# KiCad board haptic display 8x8 aisler.kicad_pcb (continued)
## Routing (per net, layer and track width the routed paths; a pad name or vN(x,y) marks a point on that pad's centre or on a via; arc(x,y) is an arc through that point) (continued)
  In1.Cu w0.15: v1(95.35,120) 95,120.35 95,120.55 94.68,120.56 94.37,120.6 94.06,120.66 93.75,120.74 93.45,120.84 93.16,120.97 92.88,121.11 92.61,121.28 92.35,121.46 92.1,121.66 91.88,121.88 91.66,122.11 91.47,122.36 91.29,122.62 91.13,122.89 90.99,123.17 90.88,123.46 90.78,123.76 90.7,124.07 90.65,124.37 90.62,124.69 90.61,125 90.63,125.31 90.66,125.62 90.72,125.93 90.8,126.23 90.9,126.53 91.02,126.82 91.17,127.09 91.33,127.36 91.51,127.61 91.71,127.85 91.92,128.08 92.15,128.29 92.39,128.48 92.65,128.66 92.92,128.81 93.2,128.95 93.48,129.07 93.78,129.16 94.08,129.23 94.38,129.29 94.69,129.32 95,129.32 95.31,129.31 95.61,129.28 95.92,129.22 96.22,129.14 96.51,129.04 96.79,128.92 97.06,128.78 97.33,128.62 97.58,128.44 97.81,128.25 98.04,128.04 98.24,127.81 98.43,127.57 98.6,127.32 98.76,127.05 98.89,126.78 99.01,126.49 99.1,126.2 99.17,125.91 99.22,125.61 99.25,125.3 99.26,125 99.25,124.7 99.21,124.39 99.16,124.1 99.08,123.8 98.98,123.52 98.86,123.24 98.72,122.97 98.57,122.71 98.39,122.46 98.2,122.23 97.99,122.01 97.77,121.8 97.53,121.62 97.28,121.45 97.02,121.3 96.75,121.16 96.47,121.05 96.19,120.96 95.89,120.89 95.6,120.84 95.3,120.81 95,120.8 94.69,120.81 94.37,120.85 94.07,120.91 93.77,121 93.47,121.1 93.19,121.23 92.91,121.38 92.65,121.55 92.4,121.74 92.16,121.94 91.95,122.17 91.74,122.4 91.56,122.66 91.4,122.92 91.26,123.2 91.13,123.48 91.03,123.78 90.96,124.08 90.9,124.38 90.87,124.69 90.86,125 90.88,125.31 90.91,125.62 90.97,125.92 91.06,126.22 91.16,126.51 91.29,126.79 91.43,127.06 91.6,127.32 91.79,127.56 91.99,127.79 92.21,128.01 92.44,128.21 92.69,128.39 92.95,128.55 93.22,128.69 93.51,128.81 93.8,128.91 94.09,128.98 94.39,129.04 94.7,129.07 95,129.07 95.3,129.06 95.61,129.02 95.9,128.96 96.2,128.88 96.48,128.78 96.76,128.66 97.03,128.51 97.28,128.35 97.52,128.17 97.75,127.97 97.96,127.75 98.16,127.52 98.33,127.27 98.49,127.02 98.63,126.75 98.75,126.47 98.85,126.19 98.92,125.89 98.97,125.6 99,125.3 99.01,125 99,124.7 98.96,124.4 98.9,124.11 98.82,123.82 98.72,123.54 98.6,123.27 98.46,123 98.3,122.75 98.12,122.51 97.92,122.29 97.71,122.08 97.48,121.89 97.24,121.72 96.99,121.56 96.72,121.43 96.45,121.31 96.17,121.21 95.88,121.14 95.59,121.09 95.3,121.06 95,121.05 94.69,121.07 94.38,121.1 94.08,121.17 93.78,121.26 93.49,121.37 93.22,121.5 92.95,121.65 92.69,121.82 92.45,122.02 92.23,122.23 92.02,122.46 91.83,122.7 91.67,122.96 91.52,123.23 91.39,123.51 91.29,123.79 91.21,124.09 91.15,124.39 91.12,124.69 91.11,125 91.13,125.3 91.17,125.61 91.23,125.91 91.31,126.2 91.42,126.48 91.55,126.76 91.7,127.02 91.88,127.27 92.07,127.51 92.27,127.73 92.5,127.93 92.74,128.11 92.99,128.28 93.25,128.42 93.53,128.55 93.81,128.65 94.1,128.73 94.4,128.78 94.7,128.82 95,128.82 95.3,128.81 95.6,128.77 95.89,128.71 96.18,128.63 96.46,128.52 96.73,128.39 96.99,128.24 97.23,128.07 97.47,127.89 97.68,127.68 97.88,127.46 98.06,127.23 98.23,126.98 98.37,126.72 98.49,126.45 98.59,126.17 98.67,125.88 98.72,125.59 98.75,125.3 98.76,125 98.75,124.71 98.71,124.41 98.65,124.12 98.57,123.84 98.46,123.57 98.34,123.3 98.19,123.05 98.02,122.8 97.84,122.57 97.64,122.36 97.42,122.17 97.19,121.99 96.94,121.83 96.69,121.69 96.42,121.57 96.15,121.47 95.87,121.39 95.58,121.34 95.29,121.31 95,121.3 94.69,121.32 94.39,121.36 94.09,121.42 93.8,121.51 93.52,121.63 93.25,121.76 92.99,121.92 92.74,122.1 92.51,122.3 92.3,122.52 92.11,122.75 91.94,123 91.78,123.26 91.65,123.53 91.55,123.81 91.46,124.1 91.41,124.4 91.37,124.7 91.36,125 91.38,125.3 91.42,125.6 91.48,125.89 91.57,126.18 91.68,126.45 91.82,126.72 91.97,126.98 92.15,127.22 92.35,127.44 92.56,127.65 92.79,127.84 93.03,128.01 93.29,128.16 93.56,128.29 93.83,128.39 94.12,128.48 94.41,128.53 94.7,128.57 95,128.57 95.29,128.56 95.59,128.52 95.88,128.46 96.16,128.37 96.43,128.26 96.69,128.13 96.94,127.97 97.18,127.8 97.4,127.61 97.61,127.4 97.79,127.17 97.96,126.93 98.11,126.68 98.23,126.42 98.33,126.14 98.41,125.86 98.47,125.58 98.5,125.29 98.51,125 98.5,124.71 98.46,124.42 98.4,124.14 98.31,123.86 98.2,123.6 98.07,123.34 97.92,123.09 97.75,122.86 97.56,122.64 97.36,122.44 97.14,122.26 96.9,122.09 96.65,121.95 96.39,121.83 96.12,121.72 95.85,121.65 95.57,121.59 95.29,121.56 95,121.55 94.7,121.57 94.4,121.61 94.11,121.68 93.82,121.77 93.55,121.89 93.29,122.03 93.04,122.19 92.8,122.38 92.58,122.58 92.38,122.8 92.21,123.04 92.05,123.3 91.91,123.56 91.8,123.84 91.72,124.12 91.66,124.41 91.62,124.7 91.61,125 91.63,125.29 91.67,125.59 91.74,125.87 91.83,126.15 91.95,126.42 92.08,126.68 92.25,126.93 92.43,127.16 92.63,127.37 92.84,127.57 93.08,127.74 93.33,127.9 93.59,128.03 93.86,128.14 94.14,128.22 94.42,128.28 94.71,128.32 95,128.32 95.29,128.31 95.58,128.27 95.86,128.2 96.13,128.11 96.4,128 96.65,127.86 96.89,127.7 97.12,127.53 97.33,127.33 97.52,127.11 97.69,126.89 97.84,126.64 97.97,126.39 98.08,126.12 98.16,125.85 98.22,125.57 98.25,125.28 98.26,125 98.25,124.72 98.21,124.43 98.14,124.16 98.05,123.89 97.94,123.63 97.81,123.38 97.65,123.14 97.48,122.92 97.28,122.72 97.07,122.53 96.85,122.36 96.61,122.21 96.36,122.08 96.1,121.98 95.83,121.9 95.56,121.84 95.28,121.81 95,121.8 94.71,121.82 94.41,121.86 94.13,121.93 93.85,122.03 93.58,122.15 93.33,122.3 93.09,122.47 92.86,122.66 92.66,122.87 92.48,123.09 92.31,123.34 92.17,123.59 92.06,123.86 91.97,124.14 91.91,124.42 91.87,124.71 91.86,125 91.88,125.29 91.92,125.58 91.99,125.86 92.09,126.13 92.21,126.39 92.35,126.64 92.52,126.88 92.7,127.09 92.91,127.29 93.13,127.47 93.37,127.63 93.62,127.77 93.88,127.88 94.16,127.97 94.43,128.03 94.72,128.07 95,128.07 95.28,128.06 95.56,128.02 95.84,127.95 96.11,127.85 96.36,127.74 96.61,127.6 96.84,127.43 97.05,127.25 97.25,127.05 97.42,126.83 97.58,126.6 97.71,126.35 97.82,126.09 97.91,125.83 97.97,125.55 98,125.28 98.01,125 98,124.72 97.95,124.45 97.89,124.18 97.8,123.92 97.68,123.67 97.54,123.43 97.38,123.2 97.2,122.99 97.01,122.8 96.79,122.63 96.56,122.47 96.32,122.34 96.07,122.24 95.81,122.15 95.54,122.09 95.27,122.06 95,122.05 94.71,122.07 94.43,122.11 94.15,122.19 93.88,122.29 93.62,122.42 93.37,122.57 93.15,122.74 92.94,122.94 92.75,123.15 92.58,123.38 92.44,123.63 92.32,123.89 92.23,124.16 92.16,124.44 92.12,124.72 92.11,125 92.13,125.28 92.18,125.56 92.25,125.83 92.35,126.1 92.47,126.35 92.62,126.59 92.79,126.81 92.98,127.02 93.19,127.2 93.42,127.37 93.66,127.51 93.91,127.62 94.18,127.71 94.45,127.78 94.72,127.82 95,127.83 95.28,127.81 95.55,127.76 95.82,127.69 96.08,127.6 96.32,127.47 96.56,127.33 96.77,127.16 96.98,126.98 97.16,126.77 97.32,126.55 97.45,126.31 97.57,126.06 97.65,125.81 97.72,125.54 97.75,125.27 97.76,125 97.75,124.73 97.7,124.46 97.63,124.2 97.54,123.95 97.42,123.71 97.28,123.48 97.11,123.26 96.93,123.07 96.73,122.89 96.51,122.74 96.28,122.6 96.04,122.49 95.79,122.41 95.53,122.34 95.27,122.31 95,122.3 94.72,122.32 94.44,122.37 94.17,122.44 93.91,122.55 93.66,122.68 93.43,122.84 93.21,123.02 93.02,123.22 92.85,123.44 92.7,123.67 92.58,123.92 92.48,124.18 92.41,124.45 92.37,124.72 92.36,125 92.38,125.28 92.43,125.55 92.5,125.81 92.61,126.07 92.73,126.31 92.89,126.54 93.06,126.75 93.26,126.94 93.47,127.1 93.7,127.25 93.95,127.37 94.2,127.46 94.46,127.53 94.73,127.57 95,127.58 95.27,127.56 95.53,127.51 95.79,127.44 96.04,127.34 96.28,127.21 96.5,127.06 96.7,126.89 96.89,126.7 97.05,126.49 97.19,126.27 97.31,126.03 97.4,125.78 97.47,125.52 97.5,125.26 97.51,125 97.49,124.74 97.45,124.48 97.38,124.23 97.28,123.98 97.16,123.75 97.01,123.54 96.85,123.34 96.66,123.16 96.45,123 96.24,122.86 96,122.75 95.76,122.66 95.51,122.6 95.26,122.56 95,122.55 94.73,122.57 94.46,122.62 94.2,122.7 93.94,122.81 93.71,122.94 93.49,123.11 93.29,123.29 93.11,123.49 92.96,123.72 92.83,123.96 92.73,124.21 92.66,124.47 92.62,124.73 92.61,125 92.63,125.27 92.68,125.53 92.76,125.78 92.87,126.03 93,126.26 93.15,126.47 93.33,126.67 93.53,126.84 93.75,126.99 93.98,127.11 94.23,127.21 94.48,127.28 94.74,127.31 95,127.33 95.26,127.31 95.52,127.26 95.76,127.18 96,127.08 96.23,126.95 96.43,126.8 96.62,126.62 96.79,126.43 96.93,126.22 97.05,125.99 97.15,125.75 97.21,125.51 97.25,125.25 97.26,125 97.24,124.75 97.2,124.5 97.12,124.26 97.02,124.03 96.9,123.81 96.75,123.61 96.58,123.42 96.39,123.26 96.18,123.12 95.96,123 95.73,122.91 95.49,122.85 95.25,122.81 95,122.8 94.74,122.82 94.48,122.87 94.22,122.96 93.99,123.07 93.76,123.21 93.56,123.37 93.38,123.56 93.22,123.77 93.09,124 92.99,124.24 92.92,124.49 92.87,124.74 92.86,125 92.88,125.26 92.93,125.51 93.01,125.75 93.12,125.98 93.26,126.2 93.42,126.4 93.6,126.57 93.81,126.73 94.03,126.85 94.26,126.95 94.5,127.02 94.75,127.06 95,127.08 95.25,127.06 95.49,127.01 95.73,126.93 95.96,126.82 96.17,126.69 96.36,126.53 96.53,126.35 96.68,126.16 96.8,125.94 96.9,125.72 96.96,125.48 97,125.24 97.01,125 96.99,124.76 96.94,124.52 96.87,124.29 96.76,124.07 96.64,123.87 96.48,123.68 96.31,123.52 96.12,123.38 95.92,123.26 95.7,123.16 95.47,123.1 95.24,123.06 95,123.05 94.75,123.07 94.5,123.13 94.26,123.21 94.04,123.33 93.83,123.47 93.64,123.64 93.48,123.84 93.35,124.05 93.24,124.27 93.17,124.51 93.12,124.75 93.11,125 93.13,125.25 93.19,125.49 93.27,125.72 93.38,125.93 93.52,126.13 93.69,126.31 93.87,126.47 94.08,126.6 94.3,126.7 94.52,126.77 94.76,126.81 95,126.83 95.24,126.8 95.47,126.75 95.69,126.67 95.9,126.56 96.1,126.43 96.27,126.27 96.42,126.09 96.54,125.89 96.64,125.68 96.71,125.46 96.75,125.23 96.76,125 96.74,124.77 96.69,124.55 96.61,124.33 96.51,124.13 96.38,123.94 96.22,123.78 96.05,123.63 95.86,123.51 95.66,123.41 95.44,123.35 95.22,123.31 95,123.3 94.76,123.32 94.52,123.38 94.3,123.47 94.09,123.59 93.91,123.74 93.74,123.91 93.6,124.1 93.49,124.31 93.42,124.54 93.37,124.77 93.36,125 93.38,125.23 93.44,125.46 93.53,125.67 93.64,125.87 93.78,126.05 93.95,126.21 94.14,126.34 94.34,126.45 94.55,126.52 94.78,126.56 95,126.58 95.22,126.55 95.44,126.5 95.65,126.42 95.84,126.31 96.01,126.17 96.16,126.01 96.29,125.83 96.39,125.64 96.46,125.43 96.5,125.22 96.51,125 96.49,124.79 96.44,124.58 96.36,124.38 96.25,124.19 96.12,124.03 95.97,123.88 95.8,123.76 95.61,123.67 95.41,123.6 95.21,123.56 95,123.55 95,123.6 94.63,123.97 94.59,123.98 ; v1(95.35,105) 95,105.35 95,105.55 94.68,105.56 94.37,105.6 94.06,105.66 93.75,105.74 93.45,105.84 93.16,105.97 92.88,106.11 92.61,106.28 92.35,106.46 92.1,106.66 91.88,106.88 91.66,107.11 91.47,107.36 91.29,107.62 91.13,107.89 90.99,108.17 90.88,108.46 90.78,108.76 90.7,109.07 90.65,109.37 90.62,109.69 90.61,110 90.63,110.31 90.66,110.62 90.72,110.93 90.8,111.23 90.9,111.53 91.02,111.82 91.17,112.09 91.33,112.36 91.51,112.61 91.71,112.85 91.92,113.08 92.15,113.29 92.39,113.48 92.65,113.66 92.92,113.81 93.2,113.95 93.48,114.07 93.78,114.16 94.08,114.23 94.38,114.29 94.69,114.32 95,114.33 95.31,114.31 95.61,114.28 95.92,114.22 96.22,114.14 96.51,114.04 96.79,113.92 97.06,113.78 97.33,113.62 97.58,113.44 97.81,113.25 98.04,113.04 98.24,112.81 98.43,112.57 98.6,112.32 98.76,112.05 98.89,111.78 99.01,111.49 99.1,111.2 99.17,110.91 99.22,110.61 99.25,110.3 99.26,110 99.25,109.7 99.21,109.39 99.16,109.1 99.08,108.8 98.98,108.52 98.86,108.24 98.72,107.97 98.57,107.71 98.39,107.46 98.2,107.23 97.99,107.01 97.77,106.8 97.53,106.62 97.28,106.45 97.02,106.3 96.75,106.16 96.47,106.05 96.19,105.96 95.89,105.89 95.6,105.84 95.3,105.81 95,105.8 94.69,105.81 94.37,105.85 94.07,105.91 93.77,106 93.47,106.1 93.19,106.23 92.91,106.38 92.65,106.55 92.4,106.74 92.16,106.94 91.95,107.17 91.74,107.4 91.56,107.66 91.4,107.92 91.26,108.2 91.13,108.48 91.03,108.78 90.96,109.08 90.9,109.38 90.87,109.69 90.86,110 90.88,110.31 90.91,110.62 90.97,110.92 91.06,111.22 91.16,111.51 91.29,111.79 91.43,112.06 91.6,112.32 91.79,112.56 91.99,112.79 92.21,113.01 92.44,113.21 92.69,113.39 92.95,113.55 93.22,113.69 93.51,113.81 93.8,113.91 94.09,113.98 94.39,114.04 94.7,114.07 95,114.08 95.3,114.06 95.61,114.02 95.9,113.96 96.2,113.88 96.48,113.78 96.76,113.66 97.03,113.51 97.28,113.35 97.52,113.17 97.75,112.97 97.96,112.75 98.16,112.52 98.33,112.27 98.49,112.02 98.63,111.75 98.75,111.47 98.85,111.19 98.92,110.89 98.97,110.6 99,110.3 99.01,110 99,109.7 98.96,109.4 98.9,109.11 98.82,108.82 98.72,108.54 98.6,108.27 98.46,108 98.3,107.75 98.12,107.51 97.92,107.29 97.71,107.08 97.48,106.89 97.24,106.72 96.99,106.56 96.72,106.43 96.45,106.31 96.17,106.21 95.88,106.14 95.59,106.09 95.3,106.06 95,106.05 94.69,106.07 94.38,106.1 94.08,106.17 93.78,106.26 93.49,106.37 93.22,106.5 92.95,106.65 92.69,106.82 92.45,107.02 92.23,107.23 92.02,107.46 91.83,107.7 91.67,107.96 91.52,108.23 91.39,108.51 91.29,108.79 91.21,109.09 91.15,109.39 91.12,109.69 91.11,110 91.13,110.3 91.17,110.61 91.23,110.91 91.31,111.2 91.42,111.48 91.55,111.76 91.7,112.02 91.88,112.27 92.07,112.51 92.27,112.73 92.5,112.93 92.74,113.11 92.99,113.28 93.25,113.42 93.53,113.55 93.81,113.65 94.1,113.73 94.4,113.78 94.7,113.82 95,113.83 95.3,113.81 95.6,113.77 95.89,113.71 96.18,113.63 96.46,113.52 96.73,113.39 96.99,113.24 97.23,113.07 97.47,112.89 97.68,112.68 97.88,112.46 98.06,112.23 98.23,111.98 98.37,111.72 98.49,111.45 98.59,111.17 98.67,110.88 98.72,110.59 98.75,110.3 98.76,110 98.75,109.71 98.71,109.41 98.65,109.12 98.57,108.84 98.46,108.57 98.34,108.3 98.19,108.05 98.02,107.8 97.84,107.57 97.64,107.36 97.42,107.17 97.19,106.99 96.94,106.83 96.69,106.69 96.42,106.57 96.15,106.47 95.87,106.39 95.58,106.34 95.29,106.31 95,106.3 94.69,106.32 94.39,106.36 94.09,106.42 93.8,106.51 93.52,106.63 93.25,106.76 92.99,106.92 92.74,107.1 92.51,107.3 92.3,107.52 92.11,107.75 91.94,108 91.78,108.26 91.65,108.53 91.55,108.81 91.46,109.1 91.41,109.4 91.37,109.7 91.36,110 91.38,110.3 91.42,110.6 91.48,110.89 91.57,111.18 91.68,111.45 91.82,111.72 91.97,111.98 92.15,112.22 92.35,112.44 92.56,112.65 92.79,112.84 93.03,113.01 93.29,113.16 93.56,113.29 93.83,113.39 94.12,113.48 94.41,113.53 94.7,113.57 95,113.58 95.29,113.56 95.59,113.52 95.88,113.46 96.16,113.37 96.43,113.26 96.69,113.13 96.94,112.97 97.18,112.8 97.4,112.61 97.61,112.4 97.79,112.17 97.96,111.93 98.11,111.68 98.23,111.42 98.33,111.14 98.41,110.86 98.47,110.58 98.5,110.29 98.51,110 98.5,109.71 98.46,109.42 98.4,109.14 98.31,108.86 98.2,108.6 98.07,108.34 97.92,108.09 97.75,107.86 97.56,107.64 97.36,107.44 97.14,107.26 96.9,107.09 96.65,106.95 96.39,106.83 96.12,106.72 95.85,106.65 95.57,106.59 95.29,106.56 95,106.55 94.7,106.57 94.4,106.61 94.11,106.68 93.82,106.77 93.55,106.89 93.29,107.03 93.04,107.19 92.8,107.38 92.58,107.58 92.38,107.8 92.21,108.04 92.05,108.3 91.91,108.56 91.8,108.84 91.72,109.12 91.66,109.41 91.62,109.7 91.61,110 91.63,110.29 91.67,110.59 91.74,110.87 91.83,111.15 91.95,111.42 92.08,111.68 92.25,111.93 92.43,112.16 92.63,112.37 92.84,112.57 93.08,112.74 93.33,112.9 93.59,113.03 93.86,113.14 94.14,113.22 94.42,113.28 94.71,113.32 95,113.33 95.29,113.31 95.58,113.27 95.86,113.2 96.13,113.11 96.4,113 96.65,112.86 96.89,112.7 97.12,112.53 97.33,112.33 97.52,112.11 97.69,111.89 97.84,111.64 97.97,111.39 98.08,111.12 98.16,110.85 98.22,110.57 98.25,110.28 98.26,110 98.25,109.72 98.21,109.43 98.14,109.16 98.05,108.89 97.94,108.63 97.81,108.38 97.65,108.14 97.48,107.92 97.28,107.72 97.07,107.53 96.85,107.36 96.61,107.21 96.36,107.08 96.1,106.98 95.83,106.9 95.56,106.84 95.28,106.81 95,106.8 94.71,106.82 94.41,106.86 94.13,106.93 93.85,107.03 93.58,107.15 93.33,107.3 93.09,107.47 92.86,107.66 92.66,107.87 92.48,108.09 92.31,108.34 92.17,108.59 92.06,108.86 91.97,109.14 91.91,109.42 91.87,109.71 91.86,110 91.88,110.29 91.92,110.58 91.99,110.86 92.09,111.13 92.21,111.39 92.35,111.64 92.52,111.88 92.7,112.09 92.91,112.29 93.13,112.47 93.37,112.63 93.62,112.77 93.88,112.88 94.16,112.97 94.43,113.03 94.72,113.07 95,113.08 95.28,113.06 95.56,113.02 95.84,112.95 96.11,112.85 96.36,112.74 96.61,112.6 96.84,112.43 97.05,112.25 97.25,112.05 97.42,111.83 97.58,111.6 97.71,111.35 97.82,111.09 97.91,110.83 97.97,110.55 98,110.28 98.01,110 98,109.72 97.95,109.45 97.89,109.18 97.8,108.92 97.68,108.67 97.54,108.43 97.38,108.2 97.2,107.99 97.01,107.8 96.79,107.63 96.56,107.47 96.32,107.34 96.07,107.24 95.81,107.15 95.54,107.09 95.27,107.06 95,107.05 94.71,107.07 94.43,107.11 94.15,107.19 93.88,107.29 93.62,107.42 93.37,107.57 93.15,107.74 92.94,107.94 92.75,108.15 92.58,108.38 92.44,108.63 92.32,108.89 92.23,109.16 92.16,109.44 92.12,109.72 92.11,110 92.13,110.28 92.18,110.56 92.25,110.83 92.35,111.1 92.47,111.35 92.62,111.59 92.79,111.81 92.98,112.02 93.19,112.2 93.42,112.37 93.66,112.51 93.91,112.62 94.18,112.71 94.45,112.78 94.72,112.82 95,112.83 95.28,112.81 95.55,112.76 95.82,112.69 96.08,112.6 96.32,112.47 96.56,112.33 96.77,112.16 96.98,111.98 97.16,111.77 97.32,111.55 97.45,111.31 97.57,111.06 97.65,110.81 97.72,110.54 97.75,110.27 97.76,110 97.75,109.73 97.7,109.46 97.63,109.2 97.54,108.95 97.42,108.71 97.28,108.48 97.11,108.26 96.93,108.07 96.73,107.89 96.51,107.74 96.28,107.6 96.04,107.49 95.79,107.41 95.53,107.34 95.27,107.31 95,107.3 94.72,107.32 94.44,107.37 94.17,107.44 93.91,107.55 93.66,107.68 93.43,107.84 93.21,108.02 93.02,108.22 92.85,108.44 92.7,108.67 92.58,108.92 92.48,109.18 92.41,109.45 92.37,109.72 92.36,110 92.38,110.28 92.43,110.55 92.5,110.81 92.61,111.07 92.73,111.31 92.89,111.54 93.06,111.75 93.26,111.94 93.47,112.1 93.7,112.25 93.95,112.37 94.2,112.46 94.46,112.53 94.73,112.57 95,112.58 95.27,112.56 95.53,112.51 95.79,112.44 96.04,112.34 96.28,112.21 96.5,112.06 96.7,111.89 96.89,111.7 97.05,111.49 97.19,111.27 97.31,111.03 97.4,110.78 97.47,110.52 97.5,110.26 97.51,110 97.49,109.74 97.45,109.48 97.38,109.23 97.28,108.98 97.16,108.75 97.01,108.54 96.85,108.34 96.66,108.16 96.45,108 96.24,107.86 96,107.75 95.76,107.66 95.51,107.6 95.26,107.56 95,107.55 94.73,107.57 94.46,107.62 94.2,107.7 93.94,107.81 93.71,107.94 93.49,108.11 93.29,108.29 93.11,108.49 92.96,108.72 92.83,108.96 92.73,109.21 92.66,109.47 92.62,109.73 92.61,110 92.63,110.27 92.68,110.53 92.76,110.78 92.87,111.03 93,111.26 93.15,111.47 93.33,111.67 93.53,111.84 93.75,111.99 93.98,112.11 94.23,112.21 94.48,112.28 94.74,112.31 95,112.33 95.26,112.31 95.52,112.26 95.76,112.18 96,112.08 96.23,111.95 96.43,111.8 96.62,111.62 96.79,111.43 96.93,111.22 97.05,110.99 97.15,110.75 97.21,110.51 97.25,110.25 97.26,110 97.24,109.75 97.2,109.5 97.12,109.26 97.02,109.03 96.9,108.81 96.75,108.61 96.58,108.42 96.39,108.26 96.18,108.12 95.96,108 95.73,107.91 95.49,107.85 95.25,107.81 95,107.8 94.74,107.82 94.48,107.87 94.22,107.96 93.99,108.07 93.76,108.21 93.56,108.37 93.38,108.56 93.22,108.77 93.09,109 92.99,109.24 92.92,109.49 92.87,109.74 92.86,110 92.88,110.26 92.93,110.51 93.01,110.75 93.12,110.98 93.26,111.2 93.42,111.4 93.6,111.57 93.81,111.73 94.03,111.85 94.26,111.95 94.5,112.02 94.75,112.06 95,112.08 95.25,112.06 95.49,112.01 95.73,111.93 95.96,111.82 96.17,111.69 96.36,111.53 96.53,111.35 96.68,111.16 96.8,110.94 96.9,110.72 96.96,110.48 97,110.24 97.01,110 96.99,109.76 96.94,109.52 96.87,109.29 96.76,109.07 96.64,108.87 96.48,108.68 96.31,108.52 96.12,108.38 95.92,108.26 95.7,108.16 95.47,108.1 95.24,108.06 95,108.05 94.75,108.07 94.5,108.13 94.26,108.21 94.04,108.33 93.83,108.47 93.64,108.64 93.48,108.84 93.35,109.05 93.24,109.27 93.17,109.51 93.12,109.75 93.11,110 93.13,110.25 93.19,110.49 93.27,110.72 93.38,110.93 93.52,111.13 93.69,111.31 93.87,111.47 94.08,111.6 94.3,111.7 94.52,111.77 94.76,111.81 95,111.83 95.24,111.8 95.47,111.75 95.69,111.67 95.9,111.56 96.1,111.43 96.27,111.27 96.42,111.09 96.54,110.89 96.64,110.68 96.71,110.46 96.75,110.23 96.76,110 96.74,109.77 96.69,109.55 96.61,109.33 96.51,109.13 96.38,108.94 96.22,108.78 96.05,108.63 95.86,108.51 95.66,108.41 95.44,108.35 95.22,108.31 95,108.3 94.76,108.32 94.52,108.38 94.3,108.47 94.09,108.59 93.91,108.74 93.74,108.91 93.6,109.1 93.49,109.31 93.42,109.54 93.37,109.77 93.36,110 93.38,110.23 93.44,110.46 93.53,110.67 93.64,110.87 93.78,111.05 93.95,111.21 94.14,111.34 94.34,111.45 94.55,111.52 94.78,111.56 95,111.58 95.22,111.55 95.44,111.5 95.65,111.42 95.84,111.31 96.01,111.17 96.16,111.01 96.29,110.83 96.39,110.64 96.46,110.43 96.5,110.22 96.51,110 96.49,109.79 96.44,109.58 96.36,109.38 96.25,109.19 96.12,109.03 95.97,108.88 95.8,108.76 95.61,108.67 95.41,108.6 95.21,108.56 95,108.55 95,108.6 94.63,108.97 94.59,108.98 ; v1(95.35,90) 95,90.35 95,90.55 94.68,90.56 94.37,90.6 94.06,90.66 93.75,90.74 93.45,90.84 93.16,90.97 92.88,91.11 92.61,91.28 92.35,91.46 92.1,91.66 91.88,91.88 91.66,92.11 91.47,92.36 91.29,92.62 91.13,92.89 90.99,93.17 90.88,93.46 90.78,93.76 90.7,94.07 90.65,94.37 90.62,94.69 90.61,95 90.63,95.31 90.66,95.62 90.72,95.93 90.8,96.23 90.9,96.53 91.02,96.82 91.17,97.09 91.33,97.36 91.51,97.61 91.71,97.85 91.92,98.08 92.15,98.29 92.39,98.48 92.65,98.66 92.92,98.81 93.2,98.95 93.48,99.07 93.78,99.16 94.08,99.23 94.38,99.29 94.69,99.32 95,99.33 95.31,99.31 95.61,99.28 95.92,99.22 96.22,99.14 96.51,99.04 96.79,98.92 97.06,98.78 97.33,98.62 97.58,98.44 97.81,98.25 98.04,98.04 98.24,97.81 98.43,97.57 98.6,97.32 98.76,97.05 98.89,96.78 99.01,96.49 99.1,96.2 99.17,95.91 99.22,95.61 99.25,95.3 99.26,95 99.25,94.7 99.21,94.39 99.16,94.1 99.08,93.8 98.98,93.52 98.86,93.24 98.72,92.97 98.57,92.71 98.39,92.46 98.2,92.23 97.99,92.01 97.77,91.8 97.53,91.62 97.28,91.45 97.02,91.3 96.75,91.16 96.47,91.05 96.19,90.96 95.89,90.89 95.6,90.84 95.3,90.81 95,90.8 94.69,90.81 94.37,90.85 94.07,90.91 93.77,91 93.47,91.1 93.19,91.23 92.91,91.38 92.65,91.55 92.4,91.74 92.16,91.94 91.95,92.17 91.74,92.4 91.56,92.66 91.4,92.92 91.26,93.2 91.13,93.48 91.03,93.78 90.96,94.08 90.9,94.38 90.87,94.69 90.86,95 90.88,95.31 90.91,95.62 90.97,95.92 91.06,96.22 91.16,96.51 91.29,96.79 91.43,97.06 91.6,97.32 91.79,97.56 91.99,97.79 92.21,98.01 92.44,98.21 92.69,98.39 92.95,98.55 93.22,98.69 93.51,98.81 93.8,98.91 94.09,98.98 94.39,99.04 94.7,99.07 95,99.08 95.3,99.06 95.61,99.02 95.9,98.96 96.2,98.88 96.48,98.78 96.76,98.66 97.03,98.51 97.28,98.35 97.52,98.17 97.75,97.97 97.96,97.75 98.16,97.52 98.33,97.27 98.49,97.02 98.63,96.75 98.75,96.47 98.85,96.19 98.92,95.89 98.97,95.6 99,95.3 99.01,95 99,94.7 98.96,94.4 98.9,94.11 98.82,93.82 98.72,93.54 98.6,93.27 98.46,93 98.3,92.75 98.12,92.51 97.92,92.29 97.71,92.08 97.48,91.89 97.24,91.72 96.99,91.56 96.72,91.43 96.45,91.31 96.17,91.21 95.88,91.14 95.59,91.09 95.3,91.06 95,91.05 94.69,91.07 94.38,91.1 94.08,91.17 93.78,91.26 93.49,91.37 93.22,91.5 92.95,91.65 92.69,91.82 92.45,92.02 92.23,92.23 92.02,92.46 91.83,92.7 91.67,92.96 91.52,93.23 91.39,93.51 91.29,93.79 91.21,94.09 91.15,94.39 91.12,94.69 91.11,95 91.13,95.3 91.17,95.61 91.23,95.91 91.31,96.2 91.42,96.48 91.55,96.76 91.7,97.02 91.88,97.27 92.07,97.51 92.27,97.73 92.5,97.93 92.74,98.11 92.99,98.28 93.25,98.42 93.53,98.55 93.81,98.65 94.1,98.73 94.4,98.78 94.7,98.82 95,98.83 95.3,98.81 95.6,98.77 95.89,98.71 96.18,98.63 96.46,98.52 96.73,98.39 96.99,98.24 97.23,98.07 97.47,97.89 97.68,97.68 97.88,97.46 98.06,97.23 98.23,96.98 98.37,96.72 98.49,96.45 98.59,96.17 98.67,95.88 98.72,95.59 98.75,95.3 98.76,95 98.75,94.71 98.71,94.41 98.65,94.12 98.57,93.84 98.46,93.57 98.34,93.3 98.19,93.05 98.02,92.8 97.84,92.57 97.64,92.36 97.42,92.17 97.19,91.99 96.94,91.83 96.69,91.69 96.42,91.57 96.15,91.47 95.87,91.39 95.58,91.34 95.29,91.31 95,91.3 94.69,91.32 94.39,91.36 94.09,91.42 93.8,91.51 93.52,91.63 93.25,91.76 92.99,91.92 92.74,92.1 92.51,92.3 92.3,92.52 92.11,92.75 91.94,93 91.78,93.26 91.65,93.53 91.55,93.81 91.46,94.1 91.41,94.4 91.37,94.7 91.36,95 91.38,95.3 91.42,95.6 91.48,95.89 91.57,96.18 91.68,96.45 91.82,96.72 91.97,96.98 92.15,97.22 92.35,97.44 92.56,97.65 92.79,97.84 93.03,98.01 93.29,98.16 93.56,98.29 93.83,98.39 94.12,98.48 94.41,98.53 94.7,98.57 95,98.58 95.29,98.56 95.59,98.52 95.88,98.46 96.16,98.37 96.43,98.26 96.69,98.13 96.94,97.97 97.18,97.8 97.4,97.61 97.61,97.4 97.79,97.17 97.96,96.93 98.11,96.68 98.23,96.42 98.33,96.14 98.41,95.86 98.47,95.58 98.5,95.29 98.51,95 98.5,94.71 98.46,94.42 98.4,94.14 98.31,93.86 98.2,93.6 98.07,93.34 97.92,93.09 97.75,92.86 97.56,92.64 97.36,92.44 97.14,92.26 96.9,92.09 96.65,91.95 96.39,91.83 96.12,91.72 95.85,91.65 95.57,91.59 95.29,91.56 95,91.55 94.7,91.57 94.4,91.61 94.11,91.68 93.82,91.77 93.55,91.89 93.29,92.03 93.04,92.19 92.8,92.38 92.58,92.58 92.38,92.8 92.21,93.04 92.05,93.3 91.91,93.56 91.8,93.84 91.72,94.12 91.66,94.41 91.62,94.7 91.61,95 91.63,95.29 91.67,95.59 91.74,95.87 91.83,96.15 91.95,96.42 92.08,96.68 92.25,96.93 92.43,97.16 92.63,97.37 92.84,97.57 93.08,97.74 93.33,97.9 93.59,98.03 93.86,98.14 94.14,98.22 94.42,98.28 94.71,98.32 95,98.33 95.29,98.31 95.58,98.27 95.86,98.2 96.13,98.11 96.4,98 96.65,97.86 96.89,97.7 97.12,97.53 97.33,97.33 97.52,97.11 97.69,96.89 97.84,96.64 97.97,96.39 98.08,96.12 98.16,95.85 98.22,95.57 98.25,95.28 98.26,95 98.25,94.72 98.21,94.43 98.14,94.16 98.05,93.89 97.94,93.63 97.81,93.38 97.65,93.14 97.48,92.92 97.28,92.72 97.07,92.53 96.85,92.36 96.61,92.21 96.36,92.08 96.1,91.98 95.83,91.9 95.56,91.84 95.28,91.81 95,91.8 94.71,91.82 94.41,91.86 94.13,91.93 93.85,92.03 93.58,92.15 93.33,92.3 93.09,92.47 92.86,92.66 92.66,92.87 92.48,93.09 92.31,93.34 92.17,93.59 92.06,93.86 91.97,94.14 91.91,94.42 91.87,94.71 91.86,95 91.88,95.29 91.92,95.58 91.99,95.86 92.09,96.13 92.21,96.39 92.35,96.64 92.52,96.88 92.7,97.09 92.91,97.29 93.13,97.47 93.37,97.63 93.62,97.77 93.88,97.88 94.16,97.97 94.43,98.03 94.72,98.07 95,98.08 95.28,98.06 95.56,98.02 95.84,97.95 96.11,97.85 96.36,97.74 96.61,97.6 96.84,97.43 97.05,97.25 97.25,97.05 97.42,96.83 97.58,96.6 97.71,96.35 97.82,96.09 97.91,95.83 97.97,95.55 98,95.28 98.01,95 98,94.72 97.95,94.45 97.89,94.18 97.8,93.92 97.68,93.67 97.54,93.43 97.38,93.2 97.2,92.99 97.01,92.8 96.79,92.63 96.56,92.47 96.32,92.34 96.07,92.24 95.81,92.15 95.54,92.09 95.27,92.06 95,92.05 94.71,92.07 94.43,92.11 94.15,92.19 93.88,92.29 93.62,92.42 93.37,92.57 93.15,92.74 92.94,92.94 92.75,93.15 92.58,93.38 92.44,93.63 92.32,93.89 92.23,94.16 92.16,94.44 92.12,94.72 92.11,95 92.13,95.28 92.18,95.56 92.25,95.83 92.35,96.1 92.47,96.35 92.62,96.59 92.79,96.81 92.98,97.02 93.19,97.2 93.42,97.37 93.66,97.51 93.91,97.62 94.18,97.71 94.45,97.78 94.72,97.82 95,97.83 95.28,97.81 95.55,97.76 95.82,97.69 96.08,97.6 96.32,97.47 96.56,97.33 96.77,97.16 96.98,96.98 97.16,96.77 97.32,96.55 97.45,96.31 97.57,96.06 97.65,95.81 97.72,95.54 97.75,95.27 97.76,95 97.75,94.73 97.7,94.46 97.63,94.2 97.54,93.95 97.42,93.71 97.28,93.48 97.11,93.26 96.93,93.07 96.73,92.89 96.51,92.74 96.28,92.6 96.04,92.49 95.79,92.41 95.53,92.34 95.27,92.31 95,92.3 94.72,92.32 94.44,92.37 94.17,92.44 93.91,92.55 93.66,92.68 93.43,92.84 93.21,93.02 93.02,93.22 92.85,93.44 92.7,93.67 92.58,93.92 92.48,94.18 92.41,94.45 92.37,94.72 92.36,95 92.38,95.28 92.43,95.55 92.5,95.81 92.61,96.07 92.73,96.31 92.89,96.54 93.06,96.75 93.26,96.94 93.47,97.1 93.7,97.25 93.95,97.37 94.2,97.46 94.46,97.53 94.73,97.57 95,97.58 95.27,97.56 95.53,97.51 95.79,97.44 96.04,97.34 96.28,97.21 96.5,97.06 96.7,96.89 96.89,96.7 97.05,96.49 97.19,96.27 97.31,96.03 97.4,95.78 97.47,95.52 97.5,95.26 97.51,95 97.49,94.74 97.45,94.48 97.38,94.23 97.28,93.98 97.16,93.75 97.01,93.54 96.85,93.34 96.66,93.16 96.45,93 96.24,92.86 96,92.75 95.76,92.66 95.51,92.6 95.26,92.56 95,92.55 94.73,92.57 94.46,92.62 94.2,92.7 93.94,92.81 93.71,92.94 93.49,93.11 93.29,93.29 93.11,93.49 92.96,93.72 92.83,93.96 92.73,94.21 92.66,94.47 92.62,94.73 92.61,95 92.63,95.27 92.68,95.53 92.76,95.78 92.87,96.03 93,96.26 93.15,96.47 93.33,96.67 93.53,96.84 93.75,96.99 93.98,97.11 94.23,97.21 94.48,97.28 94.74,97.31 95,97.33 95.26,97.31 95.52,97.26 95.76,97.18 96,97.08 96.23,96.95 96.43,96.8 96.62,96.62 96.79,96.43 96.93,96.22 97.05,95.99 97.15,95.75 97.21,95.51 97.25,95.25 97.26,95 97.24,94.75 97.2,94.5 97.12,94.26 97.02,94.03 96.9,93.81 96.75,93.61 96.58,93.42 96.39,93.26 96.18,93.12 95.96,93 95.73,92.91 95.49,92.85 95.25,92.81 95,92.8 94.74,92.82 94.48,92.87 94.22,92.96 93.99,93.07 93.76,93.21 93.56,93.37 93.38,93.56 93.22,93.77 93.09,94 92.99,94.24 92.92,94.49 92.87,94.74 92.86,95 92.88,95.26 92.93,95.51 93.01,95.75 93.12,95.98 93.26,96.2 93.42,96.4 93.6,96.57 93.81,96.73 94.03,96.85 94.26,96.95 94.5,97.02 94.75,97.06 95,97.08 95.25,97.06 95.49,97.01 95.73,96.93 95.96,96.82 96.17,96.69 96.36,96.53 96.53,96.35 96.68,96.16 96.8,95.94 96.9,95.72 96.96,95.48 97,95.24 97.01,95 96.99,94.76 96.94,94.52 96.87,94.29 96.76,94.07 96.64,93.87 96.48,93.68 96.31,93.52 96.12,93.38 95.92,93.26 95.7,93.16 95.47,93.1 95.24,93.06 95,93.05 94.75,93.07 94.5,93.13 94.26,93.21 94.04,93.33 93.83,93.47 93.64,93.64 93.48,93.84 93.35,94.05 93.24,94.27 93.17,94.51 93.12,94.75 93.11,95 93.13,95.25 93.19,95.49 93.27,95.72 93.38,95.93 93.52,96.13 93.69,96.31 93.87,96.47 94.08,96.6 94.3,96.7 94.52,96.77 94.76,96.81 95,96.83 95.24,96.8 95.47,96.75 95.69,96.67 95.9,96.56 96.1,96.43 96.27,96.27 96.42,96.09 96.54,95.89 96.64,95.68 96.71,95.46 96.75,95.23 96.76,95 96.74,94.77 96.69,94.55 96.61,94.33 96.51,94.13 96.38,93.94 96.22,93.78 96.05,93.63 95.86,93.51 95.66,93.41 95.44,93.35 95.22,93.31 95,93.3 94.76,93.32 94.52,93.38 94.3,93.47 94.09,93.59 93.91,93.74 93.74,93.91 93.6,94.1 93.49,94.31 93.42,94.54 93.37,94.77 93.36,95 93.38,95.23 93.44,95.46 93.53,95.67 93.64,95.87 93.78,96.05 93.95,96.21 94.14,96.34 94.34,96.45 94.55,96.52 94.78,96.56 95,96.58 95.22,96.55 95.44,96.5 95.65,96.42 95.84,96.31 96.01,96.17 96.16,96.01 96.29,95.83 96.39,95.64 96.46,95.43 96.5,95.22 96.51,95 96.49,94.79 96.44,94.58 96.36,94.38 96.25,94.19 96.12,94.03 95.97,93.88 95.8,93.76 95.61,93.67 95.41,93.6 95.21,93.56 95,93.55 95,93.6 94.63,93.97 94.59,93.98 ; v1(95.35,75) 95,75.35 95,75.55 94.68,75.56 94.37,75.6 94.06,75.66 93.75,75.74 93.45,75.84 93.16,75.97 92.88,76.11 92.61,76.28 92.35,76.46 92.1,76.66 91.88,76.88 91.66,77.11 91.47,77.36 91.29,77.62 91.13,77.89 90.99,78.17 90.88,78.46 90.78,78.76 90.7,79.07 90.65,79.37 90.62,79.69 90.61,80 90.63,80.31 90.66,80.62 90.72,80.93 90.8,81.23 90.9,81.53 91.02,81.82 91.17,82.09 91.33,82.36 91.51,82.61 91.71,82.85 91.92,83.08 92.15,83.29 92.39,83.48 92.65,83.66 92.92,83.81 93.2,83.95 93.48,84.07 93.78,84.16 94.08,84.23 94.38,84.29 94.69,84.32 95,84.33 95.31,84.31 95.61,84.28 95.92,84.22 96.22,84.14 96.51,84.04 96.79,83.92 97.06,83.78 97.33,83.62 97.58,83.44 97.81,83.25 98.04,83.04 98.24,82.81 98.43,82.57 98.6,82.32 98.76,82.05 98.89,81.78 99.01,81.49 99.1,81.2 99.17,80.91 99.22,80.61 99.25,80.3 99.26,80 99.25,79.7 99.21,79.39 99.16,79.1 99.08,78.8 98.98,78.52 98.86,78.24 98.72,77.97 98.57,77.71 98.39,77.46 98.2,77.23 97.99,77.01 97.77,76.8 97.53,76.62 97.28,76.45 97.02,76.3 96.75,76.16 96.47,76.05 96.19,75.96 95.89,75.89 95.6,75.84 95.3,75.81 95,75.8 94.69,75.81 94.37,75.85 94.07,75.91 93.77,76 93.47,76.1 93.19,76.23 92.91,76.38 92.65,76.55 92.4,76.74 92.16,76.94 91.95,77.17 91.74,77.4 91.56,77.66 91.4,77.92 91.26,78.2 91.13,78.48 91.03,78.78 90.96,79.08 90.9,79.38 90.87,79.69 90.86,80 90.88,80.31 90.91,80.62 90.97,80.92 91.06,81.22 91.16,81.51 91.29,81.79 91.43,82.06 91.6,82.32 91.79,82.56 91.99,82.79 92.21,83.01 92.44,83.21 92.69,83.39 92.95,83.55 93.22,83.69 93.51,83.81 93.8,83.91 94.09,83.98 94.39,84.04 94.7,84.07 95,84.08 95.3,84.06 95.61,84.02 95.9,83.96 96.2,83.88 96.48,83.78 96.76,83.66 97.03,83.51 97.28,83.35 97.52,83.17 97.75,82.97 97.96,82.75 98.16,82.52 98.33,82.27 98.49,82.02 98.63,81.75 98.75,81.47 98.85,81.19 98.92,80.89 98.97,80.6 99,80.3 99.01,80 99,79.7 98.96,79.4 98.9,79.11 98.82,78.82 98.72,78.54 98.6,78.27 98.46,78 98.3,77.75 98.12,77.51 97.92,77.29 97.71,77.08 97.48,76.89 97.24,76.72 96.99,76.56 96.72,76.43 96.45,76.31 96.17,76.21 95.88,76.14 95.59,76.09 95.3,76.06 95,76.05 94.69,76.07 94.38,76.1 94.08,76.17 93.78,76.26 93.49,76.37 93.22,76.5 92.95,76.65 92.69,76.82 92.45,77.02 92.23,77.23 92.02,77.46 91.83,77.7 91.67,77.96 91.52,78.23 91.39,78.51 91.29,78.79 91.21,79.09 91.15,79.39 91.12,79.69 91.11,80 91.13,80.3 91.17,80.61 91.23,80.91 91.31,81.2 91.42,81.48 91.55,81.76 91.7,82.02 91.88,82.27 92.07,82.51 92.27,82.73 92.5,82.93 92.74,83.11 92.99,83.28 93.25,83.42 93.53,83.55 93.81,83.65 94.1,83.73 94.4,83.78 94.7,83.82 95,83.83 95.3,83.81 95.6,83.77 95.89,83.71 96.18,83.63 96.46,83.52 96.73,83.39 96.99,83.24 97.23,83.07 97.47,82.89 97.68,82.68 97.88,82.46 98.06,82.23 98.23,81.98 98.37,81.72 98.49,81.45 98.59,81.17 98.67,80.88 98.72,80.59 98.75,80.3 98.76,80 98.75,79.71 98.71,79.41 98.65,79.12 98.57,78.84 98.46,78.57 98.34,78.3 98.19,78.05 98.02,77.8 97.84,77.57 97.64,77.36 97.42,77.17 97.19,76.99 96.94,76.83 96.69,76.69 96.42,76.57 96.15,76.47 95.87,76.39 95.58,76.34 95.29,76.31 95,76.3 94.69,76.32 94.39,76.36 94.09,76.42 93.8,76.51 93.52,76.63 93.25,76.76 92.99,76.92 92.74,77.1 92.51,77.3 92.3,77.52 92.11,77.75 91.94,78 91.78,78.26 91.65,78.53 91.55,78.81 91.46,79.1 91.41,79.4 91.37,79.7 91.36,80 91.38,80.3 91.42,80.6 91.48,80.89 91.57,81.18 91.68,81.45 91.82,81.72 91.97,81.98 92.15,82.22 92.35,82.44 92.56,82.65 92.79,82.84 93.03,83.01 93.29,83.16 93.56,83.29 93.83,83.39 94.12,83.48 94.41,83.53 94.7,83.57 95,83.58 95.29,83.56 95.59,83.52 95.88,83.46 96.16,83.37 96.43,83.26 96.69,83.13 96.94,82.97 97.18,82.8 97.4,82.61 97.61,82.4 97.79,82.17 97.96,81.93 98.11,81.68 98.23,81.42 98.33,81.14 98.41,80.86 98.47,80.58 98.5,80.29 98.51,80 98.5,79.71 98.46,79.42 98.4,79.14 98.31,78.86 98.2,78.6 98.07,78.34 97.92,78.09 97.75,77.86 97.56,77.64 97.36,77.44 97.14,77.26 96.9,77.09 96.65,76.95 96.39,76.83 96.12,76.72 95.85,76.65 95.57,76.59 95.29,76.56 95,76.55 94.7,76.57 94.4,76.61 94.11,76.68 93.82,76.77 93.55,76.89 93.29,77.03 93.04,77.19 92.8,77.38 92.58,77.58 92.38,77.8 92.21,78.04 92.05,78.3 91.91,78.56 91.8,78.84 91.72,79.12 91.66,79.41 91.62,79.7 91.61,80 91.63,80.29 91.67,80.59 91.74,80.87 91.83,81.15 91.95,81.42 92.08,81.68 92.25,81.93 92.43,82.16 92.63,82.37 92.84,82.57 93.08,82.74 93.33,82.9 93.59,83.03 93.86,83.14 94.14,83.22 94.42,83.28 94.71,83.32 95,83.33 95.29,83.31 95.58,83.27 95.86,83.2 96.13,83.11 96.4,83 96.65,82.86 96.89,82.7 97.12,82.53 97.33,82.33 97.52,82.11 97.69,81.89 97.84,81.64 97.97,81.39 98.08,81.12 98.16,80.85 98.22,80.57 98.25,80.28 98.26,80 98.25,79.72 98.21,79.43 98.14,79.16 98.05,78.89 97.94,78.63 97.81,78.38 97.65,78.14 97.48,77.92 97.28,77.72 97.07,77.53 96.85,77.36 96.61,77.21 96.36,77.08 96.1,76.98 95.83,76.9 95.56,76.84 95.28,76.81 95,76.8 94.71,76.82 94.41,76.86 94.13,76.93 93.85,77.03 93.58,77.15 93.33,77.3 93.09,77.47 92.86,77.66 92.66,77.87 92.48,78.09 92.31,78.34 92.17,78.59 92.06,78.86 91.97,79.14 91.91,79.42 91.87,79.71 91.86,80 91.88,80.29 91.92,80.58 91.99,80.86 92.09,81.13 92.21,81.39 92.35,81.64 92.52,81.88 92.7,82.09 92.91,82.29 93.13,82.47 93.37,82.63 93.62,82.77 93.88,82.88 94.16,82.97 94.43,83.03 94.72,83.07 95,83.08 95.28,83.06 95.56,83.02 95.84,82.95 96.11,82.85 96.36,82.74 96.61,82.6 96.84,82.43 97.05,82.25 97.25,82.05 97.42,81.83 97.58,81.6 97.71,81.35 97.82,81.09 97.91,80.83 97.97,80.55 98,80.28 98.01,80 98,79.72 97.95,79.45 97.89,79.18 97.8,78.92 97.68,78.67 97.54,78.43 97.38,78.2 97.2,77.99 97.01,77.8 96.79,77.63 96.56,77.47 96.32,77.34 96.07,77.24 95.81,77.15 95.54,77.09 95.27,77.06 95,77.05 94.71,77.07 94.43,77.11 94.15,77.19 93.88,77.29 93.62,77.42 93.37,77.57 93.15,77.74 92.94,77.94 92.75,78.15 92.58,78.38 92.44,78.63 92.32,78.89 92.23,79.16 92.16,79.44 92.12,79.72 92.11,80 92.13,80.28 92.18,80.56 92.25,80.83 92.35,81.1 92.47,81.35 92.62,81.59 92.79,81.81 92.98,82.02 93.19,82.2 93.42,82.37 93.66,82.51 93.91,82.62 94.18,82.71 94.45,82.78 94.72,82.82 95,82.83 95.28,82.81 95.55,82.76 95.82,82.69 96.08,82.6 96.32,82.47 96.56,82.33 96.77,82.16 96.98,81.98 97.16,81.77 97.32,81.55 97.45,81.31 97.57,81.06 97.65,80.81 97.72,80.54 97.75,80.27 97.76,80 97.75,79.73 97.7,79.46 97.63,79.2 97.54,78.95 97.42,78.71 97.28,78.48 97.11,78.26 96.93,78.07 96.73,77.89 96.51,77.74 96.28,77.6 96.04,77.49 95.79,77.41 95.53,77.34 95.27,77.31 95,77.3 94.72,77.32 94.44,77.37 94.17,77.44 93.91,77.55 93.66,77.68 93.43,77.84 93.21,78.02 93.02,78.22 92.85,78.44 92.7,78.67 92.58,78.92 92.48,79.18 92.41,79.45 92.37,79.72 92.36,80 92.38,80.28 92.43,80.55 92.5,80.81 92.61,81.07 92.73,81.31 92.89,81.54 93.06,81.75 93.26,81.94 93.47,82.1 93.7,82.25 93.95,82.37 94.2,82.46 94.46,82.53 94.73,82.57 95,82.58 95.27,82.56 95.53,82.51 95.79,82.44 96.04,82.34 96.28,82.21 96.5,82.06 96.7,81.89 96.89,81.7 97.05,81.49 97.19,81.27 97.31,81.03 97.4,80.78 97.47,80.52 97.5,80.26 97.51,80 97.49,79.74 97.45,79.48 97.38,79.23 97.28,78.98 97.16,78.75 97.01,78.54 96.85,78.34 96.66,78.16 96.45,78 96.24,77.86 96,77.75 95.76,77.66 95.51,77.6 95.26,77.56 95,77.55 94.73,77.57 94.46,77.62 94.2,77.7 93.94,77.81 93.71,77.94 93.49,78.11 93.29,78.29 93.11,78.49 92.96,78.72 92.83,78.96 92.73,79.21 92.66,79.47 92.62,79.73 92.61,80 92.63,80.27 92.68,80.53 92.76,80.78 92.87,81.03 93,81.26 93.15,81.47 93.33,81.67 93.53,81.84 93.75,81.99 93.98,82.11 94.23,82.21 94.48,82.28 94.74,82.31 95,82.33 95.26,82.31 95.52,82.26 95.76,82.18 96,82.08 96.23,81.95 96.43,81.8 96.62,81.62 96.79,81.43 96.93,81.22 97.05,80.99 97.15,80.75 97.21,80.51 97.25,80.25 97.26,80 97.24,79.75 97.2,79.5 97.12,79.26 97.02,79.03 96.9,78.81 96.75,78.61 96.58,78.42 96.39,78.26 96.18,78.12 95.96,78 95.73,77.91 95.49,77.85 95.25,77.81 95,77.8 94.74,77.82 94.48,77.87 94.22,77.96 93.99,78.07 93.76,78.21 93.56,78.37 93.38,78.56 93.22,78.77 93.09,79 92.99,79.24 92.92,79.49 92.87,79.74 92.86,80 92.88,80.26 92.93,80.51 93.01,80.75 93.12,80.98 93.26,81.2 93.42,81.4 93.6,81.57 93.81,81.73 94.03,81.85 94.26,81.95 94.5,82.02 94.75,82.06 95,82.08 95.25,82.06 95.49,82.01 95.73,81.93 95.96,81.82 96.17,81.69 96.36,81.53 96.53,81.35 96.68,81.16 96.8,80.94 96.9,80.72 96.96,80.48 97,80.24 97.01,80 96.99,79.76 96.94,79.52 96.87,79.29 96.76,79.07 96.64,78.87 96.48,78.68 96.31,78.52 96.12,78.38 95.92,78.26 95.7,78.16 95.47,78.1 95.24,78.06 95,78.05 94.75,78.07 94.5,78.13 94.26,78.21 94.04,78.33 93.83,78.47 93.64,78.64 93.48,78.84 93.35,79.05 93.24,79.27 93.17,79.51 93.12,79.75 93.11,80 93.13,80.25 93.19,80.49 93.27,80.72 93.38,80.93 93.52,81.13 93.69,81.31 93.87,81.47 94.08,81.6 94.3,81.7 94.52,81.77 94.76,81.81 95,81.83 95.24,81.8 95.47,81.75 95.69,81.67 95.9,81.56 96.1,81.43 96.27,81.27 96.42,81.09 96.54,80.89 96.64,80.68 96.71,80.46 96.75,80.23 96.76,80 96.74,79.77 96.69,79.55 96.61,79.33 96.51,79.13 96.38,78.94 96.22,78.78 96.05,78.63 95.86,78.51 95.66,78.41 95.44,78.35 95.22,78.31 95,78.3 94.76,78.32 94.52,78.38 94.3,78.47 94.09,78.59 93.91,78.74 93.74,78.91 93.6,79.1 93.49,79.31 93.42,79.54 93.37,79.77 93.36,80 93.38,80.23 93.44,80.46 93.53,80.67 93.64,80.87 93.78,81.05 93.95,81.21 94.14,81.34 94.34,81.45 94.55,81.52 94.78,81.56 95,81.58 95.22,81.55 95.44,81.5 95.65,81.42 95.84,81.31 96.01,81.17 96.16,81.01 96.29,80.83 96.39,80.64 96.46,80.43 96.5,80.22 96.51,80 96.49,79.79 96.44,79.58 96.36,79.38 96.25,79.19 96.12,79.03 95.97,78.88 95.8,78.76 95.61,78.67 95.41,78.6 95.21,78.56 95,78.55 95,78.6 94.63,78.97 94.59,78.98 ; v1(95.35,60) 95,60.35 95,60.55 94.68,60.56 94.37,60.6 94.06,60.66 93.75,60.74 93.45,60.84 93.16,60.97 92.88,61.11 92.61,61.28 92.35,61.46 92.1,61.66 91.88,61.88 91.66,62.11 91.47,62.36 91.29,62.62 91.13,62.89 90.99,63.17 90.88,63.46 90.78,63.76 90.7,64.07 90.65,64.37 90.62,64.69 90.61,65 90.63,65.31 90.66,65.62 90.72,65.93 90.8,66.23 90.9,66.53 91.02,66.82 91.17,67.09 91.33,67.36 91.51,67.61 91.71,67.85 91.92,68.08 92.15,68.29 92.39,68.48 92.65,68.66 92.92,68.81 93.2,68.95 93.48,69.07 93.78,69.16 94.08,69.23 94.38,69.29 94.69,69.32 95,69.33 95.31,69.31 95.61,69.28 95.92,69.22 96.22,69.14 96.51,69.04 96.79,68.92 97.06,68.78 97.33,68.62 97.58,68.44 97.81,68.25 98.04,68.04 98.24,67.81 98.43,67.57 98.6,67.32 98.76,67.05 98.89,66.78 99.01,66.49 99.1,66.2 99.17,65.91 99.22,65.61 99.25,65.3 99.26,65 99.25,64.7 99.21,64.39 99.16,64.1 99.08,63.8 98.98,63.52 98.86,63.24 98.72,62.97 98.57,62.71 98.39,62.46 98.2,62.23 97.99,62.01 97.77,61.8 97.53,61.62 97.28,61.45 97.02,61.3 96.75,61.16 96.47,61.05 96.19,60.96 95.89,60.89 95.6,60.84 95.3,60.81 95,60.8 94.69,60.81 94.37,60.85 94.07,60.91 93.77,61 93.47,61.1 93.19,61.23 92.91,61.38 92.65,61.55 92.4,61.74 92.16,61.94 91.95,62.17 91.74,62.4 91.56,62.66 91.4,62.92 91.26,63.2 91.13,63.48 91.03,63.78 90.96,64.08 90.9,64.38 90.87,64.69 90.86,65 90.88,65.31 90.91,65.62 90.97,65.92 91.06,66.22 91.16,66.51 91.29,66.79 91.43,67.06 91.6,67.32 91.79,67.56 91.99,67.79 92.21,68.01 92.44,68.21 92.69,68.39 